# Altium PCB GEM_AFE_128.PcbDoc (part 17 of 18) (continued)
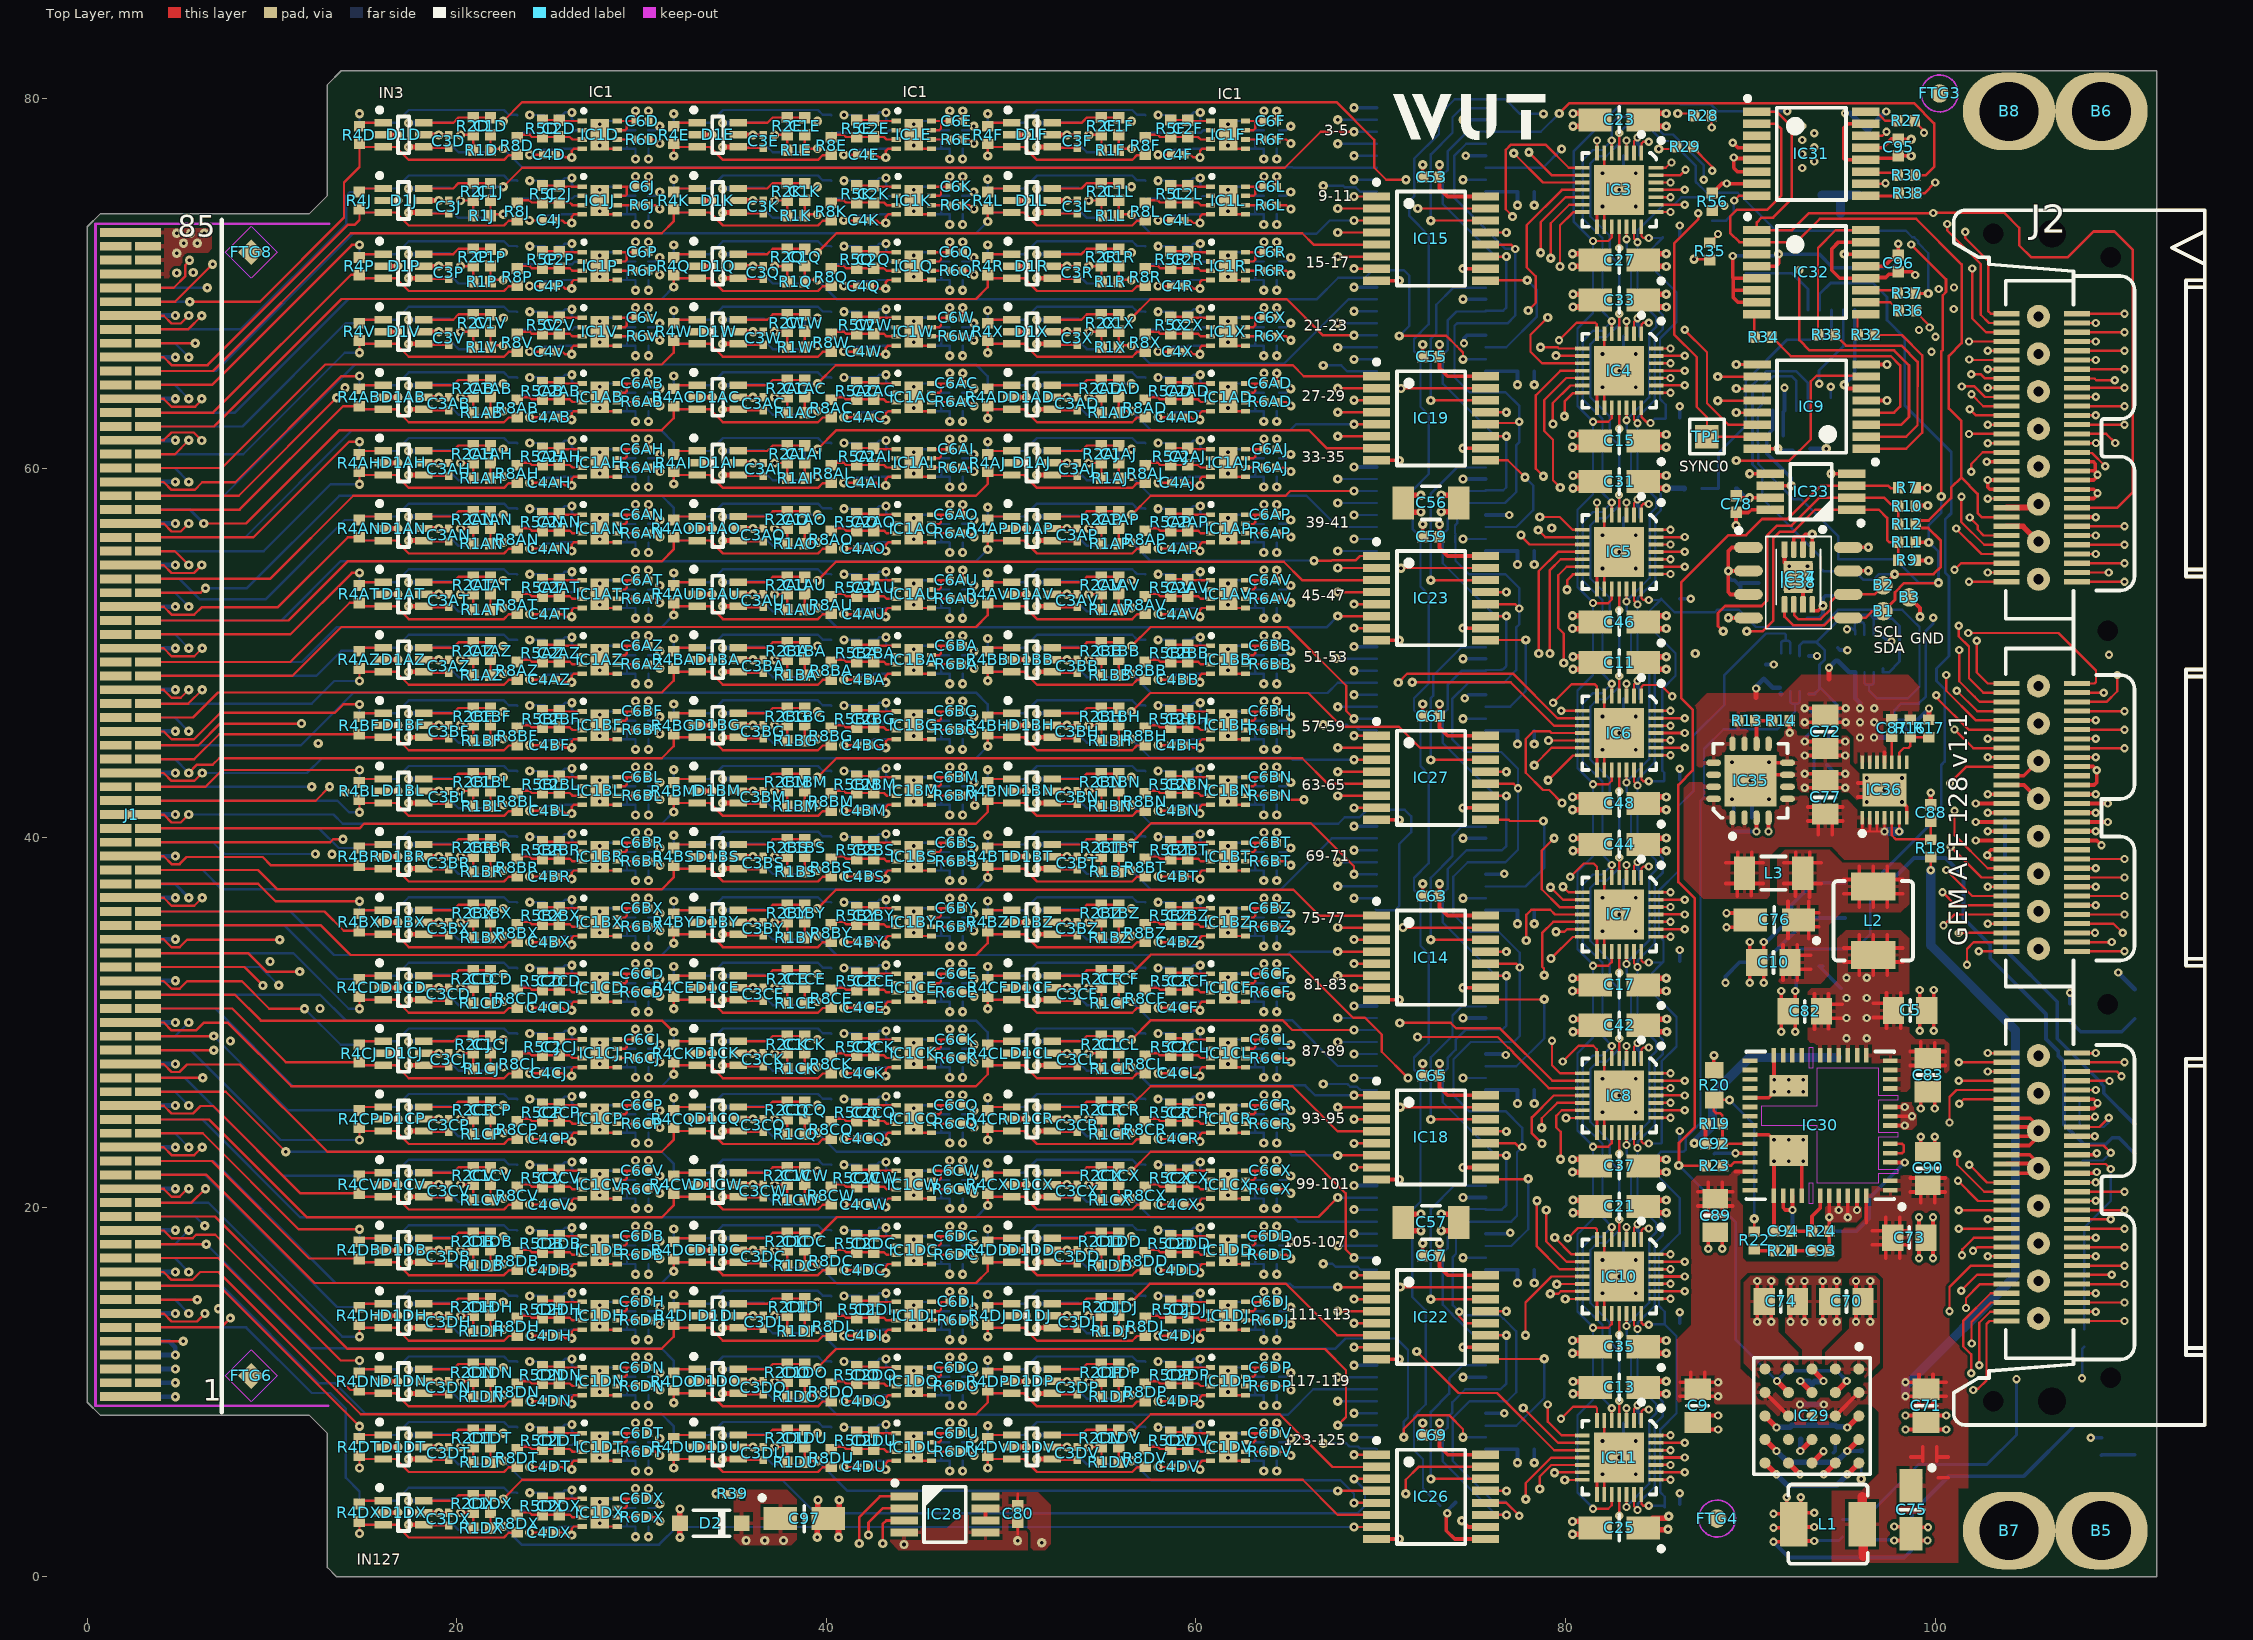
[diagram p0: Top Layer view]
## Nets (pads, with @x,y where several pads share a name; then routed paths per layer and width w, separated by ;. In a path a pad name is that pad's centre, name@x,y a point inside that pad or via, vN(x,y) a via of type N, cw(c..) or ccw(c..) an arc to the next point about the centre after c; other vN are vias at no path point) (continued)
  L2 w0.127: v2(83.302,67.941) 83.569,67.674 84.045,67.674 84.245,67.474 v2(86.443,67.475)
SYNC2: IC5.3 IC9.13 | length 13.4
  Top Layer w0.127: IC5.3@83.3,57.458 v2(83.3,58.134)
  Top Layer w0.14: v1(89.242,63) IC9.13@90.365,63
  L2 w0.127: v2(83.3,58.134) 83.566,57.867 84.043,57.867 84.243,57.667 84.912,57.667 86.9,59.655 86.9,63.114 87.936,64.15 88.6,64.15 89.242,63.508 v1(89.242,63)
SYNC3: IC6.3 IC9.12 | length 20.2
  Top Layer w0.127: IC6.3@83.3,47.658 v2(83.3,48.334)
  Top Layer w0.14: v1(88.24,63.646) 88.244,63.65 IC9.12@90.365,63.65
  L2 w0.127: v2(83.3,48.334) 83.3,48.842 84.3,49.842 84.3,51.783 87.3,54.783 87.3,61 88.24,61.94 v1(88.24,63.646)
SYNC4: IC7.3 IC9.11 | length 33.3
  Top Layer w0.127: IC7.3@83.3,37.841 v2(83.3,38.517)
  Top Layer w0.14: v1(89.242,64.3) IC9.11@90.365,64.3
  L2 w0.127: v2(83.3,38.517) 83.567,38.25 84.043,38.25 84.243,38.05 85.27,38.05 87.494,40.274 87.494,48.044 86.25,49.288 86.25,53.15 87.7,54.6 87.7,60.753 89.69,62.743 89.69,63.851 v1(89.242,64.3)
SYNC5: IC8.3 IC9.10 | length 46.1
  Top Layer w0.127: IC8.3@83.3,28.045 v2(83.3,28.721)
  Top Layer w0.14: v1(88.24,64.946) 88.244,64.95 IC9.10@90.365,64.95
  L2 w0.127: v2(83.3,28.721) 83.567,28.454 84.043,28.454 84.243,28.254 85.27,28.254 87.3,30.284 87.3,39.49 87.894,40.084 87.894,48.35 86.596,49.647 86.596,51.996 87.2,52.6 87.2,53.5 88.059,54.359 88.059,60.609 90.064,62.614 90.064,64.236 89.354,64.946 v1(88.24,64.946)
SYNC6: IC9.9 IC10.3 | length 54.4
  Top Layer w0.127: IC10.3@83.3,18.249 v2(83.3,18.925)
  Top Layer w0.14: v1(89.242,65.6) IC9.9@90.365,65.6
  L2 w0.127: v2(83.3,18.925) 83.567,18.658 84.043,18.658 84.243,18.458 85.27,18.458 87.3,20.488 87.3,23.209 87.384,23.293 87.384,23.637 87.3,23.72 87.3,29.495 87.65,29.845 87.65,39.345 88.244,39.939 88.244,48.655 87.564,49.335 87.564,53.233 88.368,54.037 88.368,60.377 90.414,62.422 90.414,64.428 v1(89.242,65.6)
SYNC7: IC9.7 IC11.3 | length 67.9
  Top Layer w0.127: IC11.3@83.3,8.453 v2(83.3,9.129) ; v1(89.242,60.4) 92.119,60.4 93.273,61.554 93.273,64.691 93.579,64.996 96.219,64.996 IC9.7@96.265,64.95
  L2 w0.127: v2(83.3,9.129) 83.567,8.862 84.043,8.862 84.243,8.662 85.27,8.662 87.3,10.692 87.3,19.75 87.604,20.054 87.604,23.19 87.613,23.198 87.613,23.731 87.604,23.739 87.604,29.304 88,29.7 88,39.2 88.594,39.794 88.594,48.892 87.967,49.519 87.967,52.926 89.229,54.187 89.229,55.925 88.8,56.354 88.8,59.959 v1(89.242,60.4)
TIA_VCC: C6A.2 C6AA.2 C6AB.2 C6AC.2 C6AD.2 C6AE.2 C6AF.2 C6AG.2 C6AH.2 C6AI.2 C6AJ.2 C6AK.2 C6AL.2 C6AM.2 C6AN.2 C6AO.2 C6AP.2 C6AQ.2 C6AR.2 C6AS.2 C6AT.2 C6AU.2 C6AV.2 C6AW.2 C6AX.2 C6AY.2 C6AZ.2 C6B.2 C6BA.2 C6BB.2 C6BC.2 C6BD.2 C6BE.2 C6BF.2 C6BG.2 C6BH.2 C6BI.2 C6BJ.2 C6BK.2 C6BL.2 C6BM.2 C6BN.2 C6BO.2 C6BP.2 C6BQ.2 C6BR.2 C6BS.2 C6BT.2 C6BU.2 C6BV.2 C6BW.2 C6BX.2 C6BY.2 C6BZ.2 C6C.2 C6CA.2 C6CB.2 C6CC.2 C6CD.2 C6CE.2 C6CF.2 C6CG.2 C6CH.2 C6CI.2 C6CJ.2 C6CK.2 C6CL.2 C6CM.2 C6CN.2 C6CO.2 C6CP.2 C6CQ.2 C6CR.2 C6CS.2 C6CT.2 C6CU.2 C6CV.2 C6CW.2 C6CX.2 C6CY.2 C6CZ.2 C6D.2 C6DA.2 C6DB.2 C6DC.2 C6DD.2 C6DE.2 C6DF.2 C6DG.2 C6DH.2 C6DI.2 C6DJ.2 C6DK.2 C6DL.2 C6DM.2 C6DN.2 C6DO.2 C6DP.2 C6DQ.2 C6DR.2 C6DS.2 C6DT.2 C6DU.2 C6DV.2 C6DW.2 C6DX.2 C6E.2 C6F.2 C6G.2 C6H.2 C6I.2 C6J.2 C6K.2 C6L.2 C6M.2 C6N.2 C6O.2 C6P.2 C6Q.2 C6R.2 C6S.2 C6T.2 C6U.2 C6V.2 C6W.2 C6X.2 C6Y.2 C6Z.2 C7.2 C72.2 C87.2 C98.2 C99.2 IC1A.7 IC1A.8 IC1AA.7 IC1AA.8 IC1AB.7 IC1AB.8 IC1AC.7 IC1AC.8 IC1AD.7 IC1AD.8 IC1AE.7 IC1AE.8 IC1AF.7 IC1AF.8 IC1AG.7 IC1AG.8 IC1AH.7 IC1AH.8 IC1AI.7 IC1AI.8 IC1AJ.7 IC1AJ.8 IC1AK.7 IC1AK.8 IC1AL.7 IC1AL.8 IC1AM.7 IC1AM.8 IC1AN.7 IC1AN.8 IC1AO.7 IC1AO.8 IC1AP.7 IC1AP.8 IC1AQ.7 IC1AQ.8 IC1AR.7 IC1AR.8 IC1AS.7 IC1AS.8 IC1AT.7 IC1AT.8 IC1AU.7 IC1AU.8 IC1AV.7 IC1AV.8 IC1AW.7 IC1AW.8 IC1AX.7 IC1AX.8 IC1AY.7 IC1AY.8 IC1AZ.7 IC1AZ.8 IC1B.7 IC1B.8 IC1BA.7 IC1BA.8 IC1BB.7 IC1BB.8 IC1BC.7 IC1BC.8 IC1BD.7 IC1BD.8 IC1BE.7 IC1BE.8 IC1BF.7 IC1BF.8 IC1BG.7 IC1BG.8 IC1BH.7 IC1BH.8 IC1BI.7 IC1BI.8 IC1BJ.7 IC1BJ.8 IC1BK.7 IC1BK.8 IC1BL.7 IC1BL.8 IC1BM.7 IC1BM.8 IC1BN.7 IC1BN.8 IC1BO.7 IC1BO.8 IC1BP.7 IC1BP.8 IC1BQ.7 IC1BQ.8 IC1BR.7 IC1BR.8 IC1BS.7 IC1BS.8 IC1BT.7 IC1BT.8 IC1BU.7 IC1BU.8 IC1BV.7 IC1BV.8 IC1BW.7 IC1BW.8 IC1BX.7 IC1BX.8 IC1BY.7 IC1BY.8 IC1BZ.7 IC1BZ.8 IC1C.7 IC1C.8 IC1CA.7 IC1CA.8 IC1CB.7 IC1CB.8 IC1CC.7 IC1CC.8 IC1CD.7 IC1CD.8 IC1CE.7 IC1CE.8 IC1CF.7 IC1CF.8 IC1CG.7 IC1CG.8 IC1CH.7 IC1CH.8 IC1CI.7 IC1CI.8 IC1CJ.7 IC1CJ.8 IC1CK.7 IC1CK.8 IC1CL.7 IC1CL.8 IC1CM.7 IC1CM.8 IC1CN.7 IC1CN.8 IC1CO.7 IC1CO.8 IC1CP.7 IC1CP.8 IC1CQ.7 IC1CQ.8 IC1CR.7 IC1CR.8 IC1CS.7 IC1CS.8 IC1CT.7 IC1CT.8 IC1CU.7 IC1CU.8 IC1CV.7 IC1CV.8 IC1CW.7 IC1CW.8 IC1CX.7 IC1CX.8 IC1CY.7 IC1CY.8 IC1CZ.7 IC1CZ.8 IC1D.7 IC1D.8 IC1DA.7 IC1DA.8 IC1DB.7 IC1DB.8 IC1DC.7 IC1DC.8 IC1DD.7 IC1DD.8 IC1DE.7 IC1DE.8 IC1DF.7 IC1DF.8 IC1DG.7 IC1DG.8 IC1DH.7 IC1DH.8 IC1DI.7 IC1DI.8 IC1DJ.7 IC1DJ.8 IC1DK.7 IC1DK.8 IC1DL.7 IC1DL.8 IC1DM.7 IC1DM.8 IC1DN.7 IC1DN.8 IC1DO.7 IC1DO.8 IC1DP.7 IC1DP.8 IC1DQ.7 IC1DQ.8 IC1DR.7 IC1DR.8 IC1DS.7 IC1DS.8 IC1DT.7 IC1DT.8 IC1DU.7 IC1DU.8 IC1DV.7 IC1DV.8 IC1DW.7 IC1DW.8 IC1DX.7 IC1DX.8 IC1E.7 IC1E.8 IC1F.7 IC1F.8 IC1G.7 IC1G.8 IC1H.7 IC1H.8 IC1I.7 IC1I.8 IC1J.7 IC1J.8 IC1K.7 IC1K.8 IC1L.7 IC1L.8 IC1M.7 IC1M.8 IC1N.7 IC1N.8 IC1O.7 IC1O.8 IC1P.7 IC1P.8 IC1Q.7 IC1Q.8 IC1R.7 IC1R.8 IC1S.7 IC1S.8 IC1T.7 IC1T.8 IC1U.7 IC1U.8 IC1V.7 IC1V.8 IC1W.7 IC1W.8 IC1X.7 IC1X.8 IC1Y.7 IC1Y.8 IC1Z.7 IC1Z.8 IC35.11 IC35.12 IC35.13 IC36.11 IC36.12 IC36.13 IC36.14 LD3.2 R13.2 R16.2 R39.1 R40.2 R49.2 U1.8 U2.8 | length 356.2
  Top Layer w0.127: IC1DX.7@28.675,3.725 29.111,3.725 29.205,3.819 29.205,4.224 ; IC1DX.8@28.675,4.225 C6DX.2@29.653,4.225 ; IC1DT.7@28.675,7.275 IC1DT.7@28.686,7.275 29.111,7.275 29.205,7.369 29.205,7.774 ; IC1DT.8@28.675,7.775 IC1DT.8@28.686,7.775 C6DT.2@29.653,7.775 ; IC1DN.7@28.675,10.825 29.111,10.825 29.205,10.919 29.205,11.324 ; IC1DN.8@28.675,11.325 C6DN.2@29.653,11.325 ; IC1DH.7@28.675,14.375 29.111,14.375 29.205,14.469 29.205,14.874 ; IC1DH.8@28.675,14.875 C6DH.2@29.653,14.875 ; IC1DB.7@28.675,17.925 29.111,17.925 29.205,18.019 29.205,18.424 ; IC1DB.8@28.675,18.425 C6DB.2@29.653,18.425 ; IC1CV.7@28.675,21.475 29.111,21.475 29.205,21.569 29.205,21.974 ; IC1CV.8@28.675,21.975 C6CV.2@29.653,21.975 ; IC1CP.7@28.675,25.025 29.111,25.025 29.205,25.119 29.205,25.524 ; IC1CP.8@28.675,25.525 C6CP.2@29.653,25.525 ; IC1CJ.7@28.675,28.575 29.111,28.575 29.205,28.669 29.205,29.074 ; IC1CJ.8@28.675,29.075 C6CJ.2@29.653,29.075 ; IC1CD.7@28.675,32.125 29.111,32.125 29.205,32.219 29.205,32.624 ; IC1CD.8@28.675,32.625 C6CD.2@29.653,32.625 ; IC1BX.7@28.675,35.675 29.111,35.675 29.205,35.769 29.205,36.174 ; IC1BX.8@28.675,36.175 C6BX.2@29.653,36.175 ; IC1BR.7@28.675,39.225 29.111,39.225 29.205,39.319 29.205,39.724 ; IC1BR.8@28.675,39.725 C6BR.2@29.653,39.725 ; IC1BL.7@28.675,42.775 29.111,42.775 29.205,42.869 29.205,43.274 ; IC1BL.8@28.675,43.275 C6BL.2@29.653,43.275 ; IC1BF.7@28.675,46.325 29.111,46.325 29.205,46.419 29.205,46.824 ; IC1BF.8@28.675,46.825 C6BF.2@29.653,46.825 ; IC1AZ.7@28.675,49.875 29.111,49.875 29.205,49.969 29.205,50.374 ; IC1AZ.8@28.675,50.375 C6AZ.2@29.653,50.375 ; IC1AT.7@28.675,53.425 29.111,53.425 29.205,53.519 29.205,53.924 ; IC1AT.8@28.675,53.925 C6AT.2@29.653,53.925 ; IC1AN.7@28.675,56.975 29.111,56.975 29.205,57.069 29.205,57.474 ; IC1AN.8@28.675,57.475 C6AN.2@29.653,57.475 ; IC1AH.7@28.675,60.525 29.111,60.525 29.205,60.619 29.205,61.024 ; IC1AH.8@28.675,61.025 C6AH.2@29.653,61.025 ; IC1AB.7@28.675,64.075 29.111,64.075 29.205,64.169 29.205,64.574 ; IC1AB.8@28.675,64.575 C6AB.2@29.653,64.575 ; IC1V.7@28.675,67.625 29.111,67.625 29.205,67.719 29.205,68.124 ; IC1V.8@28.675,68.125 C6V.2@29.653,68.125 ; IC1P.7@28.675,71.175 29.111,71.175 29.205,71.269 29.205,71.674 ; IC1P.8@28.675,71.675 C6P.2@29.653,71.675 ; IC1J.7@28.675,74.725 29.111,74.725 29.205,74.819 29.205,75.224 ; IC1J.8@28.675,75.225 C6J.2@29.653,75.225 ; IC1D.7@28.675,78.275 29.111,78.275 29.205,78.369 29.205,78.774 ; IC1D.8@28.675,78.775 C6D.2@29.653,78.775 ; C6DX.2@29.676,4.226 v1@29.676,4.775 ; C6DT.2@29.676,7.776 v1(29.677,8.326) ; C6DN.2@29.676,11.326 v1@29.676,11.875 ; C6DH.2@29.676,14.876 v1@29.676,15.425 ; C6DB.2@29.676,18.426 v1(29.677,18.976) ; C6CV.2@29.676,21.976 v1@29.676,22.525 ; C6CP.2@29.676,25.526 v1(29.677,26.076) ; C6CJ.2@29.676,29.076 v1(29.677,29.626) ; C6CD.2@29.676,32.626 v1@29.676,33.175 ; C6BX.2@29.676,36.176 v1(29.677,36.726) ; C6BR.2@29.676,39.726 v1(29.677,40.276) ; C6BL.2@29.676,43.276 v1@29.676,43.825 ; C6BF.2@29.676,46.826 v1(29.677,47.376) ; C6AZ.2@29.676,50.376 v1@29.676,50.925 ; C6AT.2@29.676,53.926 v1@29.676,54.475 ; C6AN.2@29.676,57.476 v1(29.677,58.026) ; C6AH.2@29.676,61.026 v1@29.676,61.575 ; C6AB.2@29.676,64.576 v1(29.677,65.126) ; C6V.2@29.676,68.126 v1(29.677,68.676) ; C6P.2@29.676,71.676 v1@29.676,72.225 ; C6J.2@29.676,75.226 v1(29.677,75.776) ; C6D.2@29.676,78.776 v1(29.677,79.326) ; IC1DU.7@45.675,7.275 IC1DU.7@45.686,7.275 46.111,7.275 46.205,7.369 46.205,7.774 ; IC1DU.8@45.675,7.775 IC1DU.8@45.686,7.775 C6DU.2@46.653,7.775 ; IC1DO.7@45.675,10.825 46.111,10.825 46.205,10.919 46.205,11.324 ; IC1DO.8@45.675,11.325 C6DO.2@46.653,11.325 ; IC1DI.7@45.675,14.375 46.111,14.375 46.205,14.469 46.205,14.874 ; IC1DI.8@45.675,14.875 C6DI.2@46.653,14.875 ; IC1DC.7@45.675,17.925 46.111,17.925 46.205,18.019 46.205,18.424 ; IC1DC.8@45.675,18.425 C6DC.2@46.653,18.425 ; IC1CW.7@45.675,21.475 46.111,21.475 46.205,21.569 46.205,21.974 ; IC1CW.8@45.675,21.975 C6CW.2@46.653,21.975 ; IC1CQ.7@45.675,25.025 46.111,25.025 46.205,25.119 46.205,25.524 ; IC1CQ.8@45.675,25.525 C6CQ.2@46.653,25.525 ; IC1CK.7@45.675,28.575 46.111,28.575 46.205,28.669 46.205,29.074 ; IC1CK.8@45.675,29.075 C6CK.2@46.653,29.075 ; IC1CE.7@45.675,32.125 46.111,32.125 46.205,32.219 46.205,32.624 ; IC1CE.8@45.675,32.625 C6CE.2@46.653,32.625 ; IC1BY.7@45.675,35.675 46.111,35.675 46.205,35.769 46.205,36.174 ; IC1BY.8@45.675,36.175 C6BY.2@46.653,36.175 ; IC1BS.7@45.675,39.225 46.111,39.225 46.205,39.319 46.205,39.724 ; IC1BS.8@45.675,39.725 C6BS.2@46.653,39.725 ; IC1BM.7@45.675,42.775 46.111,42.775 46.205,42.869 46.205,43.274 ; IC1BM.8@45.675,43.275 C6BM.2@46.653,43.275 ; IC1BG.7@45.675,46.325 46.111,46.325 46.205,46.419 46.205,46.824 ; IC1BG.8@45.675,46.825 C6BG.2@46.653,46.825 ; IC1BA.7@45.675,49.875 46.111,49.875 46.205,49.969 46.205,50.374 ; IC1BA.8@45.675,50.375 C6BA.2@46.653,50.375 ; IC1AU.7@45.675,53.425 46.111,53.425 46.205,53.519 46.205,53.924 ; IC1AU.8@45.675,53.925 C6AU.2@46.653,53.925 ; IC1AO.7@45.675,56.975 46.111,56.975 46.205,57.069 46.205,57.474 ; IC1AO.8@45.675,57.475 C6AO.2@46.653,57.475 ; IC1AI.7@45.675,60.525 46.111,60.525 46.205,60.619 46.205,61.024 ; IC1AI.8@45.675,61.025 C6AI.2@46.653,61.025 ; IC1AC.7@45.675,64.075 46.111,64.075 46.205,64.169 46.205,64.574 ; IC1AC.8@45.675,64.575 C6AC.2@46.653,64.575 ; IC1W.7@45.675,67.625 46.111,67.625 46.205,67.719 46.205,68.124 ; IC1W.8@45.675,68.125 C6W.2@46.653,68.125 ; IC1Q.7@45.675,71.175 46.111,71.175 46.205,71.269 46.205,71.674 ; IC1Q.8@45.675,71.675 C6Q.2@46.653,71.675 ; IC1K.7@45.675,74.725 46.111,74.725 46.205,74.819 46.205,75.224 ; IC1K.8@45.675,75.225 C6K.2@46.653,75.225 ; IC1E.7@45.675,78.275 46.111,78.275 46.205,78.369 46.205,78.774 ; IC1E.8@45.675,78.775 C6E.2@46.653,78.775 ; C6DU.2@46.676,7.776 v1(46.677,8.326) ; C6DO.2@46.676,11.326 v1@46.676,11.875 ; C6DI.2@46.676,14.876 v1@46.676,15.425 ; C6DC.2@46.676,18.426 v1(46.677,18.976) ; C6CW.2@46.676,21.976 v1@46.676,22.525 ; C6CQ.2@46.676,25.526 v1(46.677,26.076) ; C6CK.2@46.676,29.076 v1(46.677,29.626) ; C6CE.2@46.676,32.626 v1@46.676,33.175 ; C6BY.2@46.676,36.176 v1(46.677,36.726) ; C6BS.2@46.676,39.726 v1(46.677,40.276) ; C6BM.2@46.676,43.276 v1@46.676,43.825 ; C6BG.2@46.676,46.826 v1(46.677,47.376) ; C6BA.2@46.676,50.376 v1@46.676,50.925 ; C6AU.2@46.676,53.926 v1@46.676,54.475 ; C6AO.2@46.676,57.476 v1(46.677,58.026) ; C6AI.2@46.676,61.026 v1@46.676,61.575 ; C6AC.2@46.676,64.576 v1(46.677,65.126) ; C6W.2@46.676,68.126 v1(46.677,68.676) ; C6Q.2@46.676,71.676 v1@46.676,72.225 ; C6K.2@46.676,75.226 v1(46.677,75.776) ; C6E.2@46.676,78.776 v1(46.677,79.326) ; IC1DV.7@62.675,7.275 IC1DV.7@62.686,7.275 63.111,7.275 63.205,7.369 63.205,7.774 ; IC1DV.8@62.675,7.775 IC1DV.8@62.686,7.775 C6DV.2@63.653,7.775 ; IC1DP.7@62.675,10.825 63.111,10.825 63.205,10.919 63.205,11.324 ; IC1DP.8@62.675,11.325 C6DP.2@63.653,11.325 ; IC1DJ.7@62.675,14.375 63.111,14.375 63.205,14.469 63.205,14.874 ; IC1DJ.8@62.675,14.875 C6DJ.2@63.653,14.875 ; IC1DD.7@62.675,17.925 63.111,17.925 63.205,18.019 63.205,18.424 ; IC1DD.8@62.675,18.425 C6DD.2@63.653,18.425 ; IC1CX.7@62.675,21.475 63.111,21.475 63.205,21.569 63.205,21.974 ; IC1CX.8@62.675,21.975 C6CX.2@63.653,21.975 ; IC1CR.7@62.675,25.025 63.111,25.025 63.205,25.119 63.205,25.524 ; IC1CR.8@62.675,25.525 C6CR.2@63.653,25.525 ; IC1CL.7@62.675,28.575 63.111,28.575 63.205,28.669 63.205,29.074 ; IC1CL.8@62.675,29.075 C6CL.2@63.653,29.075 ; IC1CF.7@62.675,32.125 63.111,32.125 63.205,32.219 63.205,32.624 ; IC1CF.8@62.675,32.625 C6CF.2@63.653,32.625 ; IC1BZ.7@62.675,35.675 63.111,35.675 63.205,35.769 63.205,36.174 ; IC1BZ.8@62.675,36.175 C6BZ.2@63.653,36.175 ; IC1BT.7@62.675,39.225 63.111,39.225 63.205,39.319 63.205,39.724 ; IC1BT.8@62.675,39.725 C6BT.2@63.653,39.725 ; IC1BN.7@62.675,42.775 63.111,42.775 63.205,42.869 63.205,43.274 ; IC1BN.8@62.675,43.275 C6BN.2@63.653,43.275 ; IC1BH.7@62.675,46.325 63.111,46.325 63.205,46.419 63.205,46.824 ; IC1BH.8@62.675,46.825 C6BH.2@63.653,46.825 ; IC1BB.7@62.675,49.875 63.111,49.875 63.205,49.969 63.205,50.374 ; IC1BB.8@62.675,50.375 C6BB.2@63.653,50.375 ; IC1AV.7@62.675,53.425 63.111,53.425 63.205,53.519 63.205,53.924 ; IC1AV.8@62.675,53.925 C6AV.2@63.653,53.925 ; IC1AP.7@62.675,56.975 63.111,56.975 63.205,57.069 63.205,57.474 ; IC1AP.8@62.675,57.475 C6AP.2@63.653,57.475 ; IC1AJ.7@62.675,60.525 63.111,60.525 63.205,60.619 63.205,61.024 ; IC1AJ.8@62.675,61.025 C6AJ.2@63.653,61.025 ; IC1AD.7@62.675,64.075 63.111,64.075 63.205,64.169 63.205,64.574 ; IC1AD.8@62.675,64.575 C6AD.2@63.653,64.575 ; IC1X.7@62.675,67.625 63.111,67.625 63.205,67.719 63.205,68.124 ; IC1X.8@62.675,68.125 C6X.2@63.653,68.125 ; IC1R.7@62.675,71.175 63.111,71.175 63.205,71.269 63.205,71.674 ; IC1R.8@62.675,71.675 C6R.2@63.653,71.675 ; IC1L.7@62.675,74.725 63.111,74.725 63.205,74.819 63.205,75.224 ; IC1L.8@62.675,75.225 C6L.2@63.653,75.225 ; IC1F.7@62.675,78.275 63.111,78.275 63.205,78.369 63.205,78.774 ; IC1F.8@62.675,78.775 C6F.2@63.653,78.775 ; C6DV.2@63.676,7.776 v1@63.676,8.325 ; C6DP.2@63.675,11.325 v1@63.676,11.875 ; C6DJ.2@63.675,14.875 v1@63.676,15.425 ; C6DD.2@63.676,18.426 v1@63.676,18.975 ; C6CX.2@63.675,21.975 v1@63.676,22.525 ; C6CR.2@63.675,25.525 v1@63.676,26.075 ; C6CL.2@63.676,29.076 v1@63.676,29.625 ; C6CF.2@63.675,32.625 v1@63.676,33.175 ; C6BZ.2@63.676,36.176 v1@63.676,36.725 ; C6BT.2@63.676,39.726 v1@63.676,40.275 ; C6BN.2@63.675,43.275 v1@63.676,43.825 ; C6BH.2@63.676,46.826 v1@63.676,47.375 ; C6BB.2@63.675,50.375 v1@63.676,50.925 ; C6AV.2@63.675,53.925 v1@63.676,54.475 ; C6AP.2@63.676,57.476 v1@63.676,58.025 ; C6AJ.2@63.675,61.025 v1@63.676,61.575 ; C6AD.2@63.675,64.575 v1@63.676,65.125 ; C6X.2@63.676,68.126 v1@63.676,68.675 ; C6R.2@63.675,71.675 v1@63.676,72.225 ; C6L.2@63.676,75.226 v1@63.676,75.775 ; C6F.2@63.676,78.776 v1@63.676,79.325
  Top Layer w0.2: v1@34.022,4.489 R39.1@34.571,4.489 ; v2(92.946,46.245) C72.2@93.721,46.245 ; v2(92.946,47.005) C72.2@93.721,47.005 ; C72.2@94.379,46.245 v2(95.154,46.245) ; C72.2@94.379,47.005 v2(95.154,47.005) ; IC36.11@97.255,44.078 97.255,44.605
  Top Layer w0.254: 90.31,47.577 v2(90.31,48.073) ; 94.25,48.576 v2(94.25,49.2)
  L2 w0.254: v2(96.688,45.42) 99.055,43.053 99.055,42.13 103.776,37.41 103.776,33.852 104.928,32.7 v2(109.9,32.7)
  Bottom Layer w0.127: IC1DW.8@28.686,2.725 C6DW.2@29.664,2.725 ; IC1DW.7@28.686,3.225 29.121,3.225 29.215,3.131 29.215,2.726 ; IC1DQ.8@28.686,6.275 C6DQ.2@29.664,6.275 ; IC1DQ.7@28.686,6.775 29.121,6.775 29.215,6.681 29.215,6.276 ; IC1DK.8@28.686,9.825 C6DK.2@29.664,9.825 ; IC1DK.7@28.686,10.325 29.121,10.325 29.215,10.231 29.215,9.826 ; IC1DE.8@28.686,13.375 C6DE.2@29.664,13.375 ; IC1DE.7@28.686,13.875 29.121,13.875 29.215,13.781 29.215,13.376 ; IC1CY.8@28.686,16.925 C6CY.2@29.664,16.925 ; IC1CY.7@28.686,17.425 29.121,17.425 29.215,17.331 29.215,16.926 ; IC1CS.8@28.686,20.475 C6CS.2@29.664,20.475 ; IC1CS.7@28.686,20.975 29.121,20.975 29.215,20.881 29.215,20.476 ; IC1CM.8@28.686,24.025 C6CM.2@29.664,24.025 ; IC1CM.7@28.686,24.525 29.121,24.525 29.215,24.431 29.215,24.026 ; IC1CG.8@28.686,27.575 C6CG.2@29.664,27.575 ; IC1CG.7@28.686,28.075 29.121,28.075 29.215,27.981 29.215,27.576 ; IC1CA.8@28.686,31.125 C6CA.2@29.664,31.125 ; IC1CA.7@28.686,31.625 29.121,31.625 29.215,31.531 29.215,31.126 ; IC1BU.8@28.686,34.675 C6BU.2@29.664,34.675 ; IC1BU.7@28.686,35.175 29.121,35.175 29.215,35.081 29.215,34.676 ; IC1BO.8@28.686,38.225 C6BO.2@29.664,38.225 ; IC1BO.7@28.686,38.725 29.121,38.725 29.215,38.631 29.215,38.226 ; IC1BI.8@28.686,41.775 C6BI.2@29.664,41.775 ; IC1BI.7@28.686,42.275 29.121,42.275 29.215,42.181 29.215,41.776 ; IC1BC.8@28.686,45.325 C6BC.2@29.664,45.325 ; IC1BC.7@28.686,45.825 29.121,45.825 29.215,45.731 29.215,45.326 ; IC1AW.8@28.686,48.875 C6AW.2@29.664,48.875 ; IC1AW.7@28.686,49.375 29.121,49.375 29.215,49.281 29.215,48.876 ; IC1AQ.8@28.686,52.425 C6AQ.2@29.664,52.425 ; IC1AQ.7@28.686,52.925 29.121,52.925 29.215,52.831 29.215,52.426 ; IC1AK.8@28.686,55.975 C6AK.2@29.664,55.975 ; IC1AK.7@28.686,56.475 29.121,56.475 29.215,56.381 29.215,55.976 ; IC1AE.8@28.686,59.525 C6AE.2@29.664,59.525 ; IC1AE.7@28.686,60.025 29.121,60.025 29.215,59.931 29.215,59.526 ; IC1Y.8@28.686,63.075 C6Y.2@29.664,63.075 ; IC1Y.7@28.686,63.575 29.121,63.575 29.215,63.481 29.215,63.076 ; IC1S.8@28.686,66.625 C6S.2@29.664,66.625 ; IC1S.7@28.686,67.125 29.121,67.125 29.215,67.031 29.215,66.626 ; IC1M.8@28.686,70.175 C6M.2@29.664,70.175 ; IC1M.7@28.686,70.675 29.121,70.675 29.215,70.581 29.215,70.176 ; IC1G.8@28.686,73.725 C6G.2@29.664,73.725 ; IC1G.7@28.686,74.225 29.121,74.225 29.215,74.131 29.215,73.726 ; IC1A.8@28.686,77.275 C6A.2@29.664,77.275 ; IC1A.7@28.686,77.775 29.121,77.775 29.215,77.681 29.215,77.276 ; v1@29.674,2.175 C6DW.2@29.675,2.725 ; v1@29.674,5.725 C6DQ.2@29.674,6.274 ; v1@29.674,9.275 C6DK.2@29.675,9.825 ; v1@29.674,12.825 C6DE.2@29.675,13.375 ; v1@29.674,16.375 C6CY.2@29.674,16.924 ; v1@29.674,19.925 C6CS.2@29.675,20.475 ; v1@29.674,23.475 C6CM.2@29.675,24.025 ; v1@29.674,27.025 C6CG.2@29.674,27.574 ; v1@29.674,30.575 C6CA.2@29.675,31.125 ; v1@29.674,34.125 C6BU.2@29.674,34.674 ; v1@29.674,37.675 C6BO.2@29.674,38.224 ; v1@29.674,41.225 C6BI.2@29.675,41.775 ; v1@29.674,44.775 C6BC.2@29.674,45.324 ; v1@29.674,48.325 C6AW.2@29.675,48.875 ; v1@29.674,51.875 C6AQ.2@29.675,52.425 ; v1@29.674,55.425 C6AK.2@29.674,55.974 ; v1@29.674,58.975 C6AE.2@29.675,59.525 ; v1@29.674,62.525 C6Y.2@29.675,63.075 ; v1@29.674,66.075 C6S.2@29.674,66.624 ; v1@29.674,69.625 C6M.2@29.675,70.175 ; v1@29.674,73.175 C6G.2@29.675,73.725 ; v1@29.674,76.725 C6A.2@29.674,77.274 ; IC1DR.8@45.686,6.275 C6DR.2@46.664,6.275 ; IC1DR.7@45.686,6.775 46.121,6.775 46.215,6.681 46.215,6.276 ; IC1DL.8@45.686,9.825 C6DL.2@46.664,9.825 ; IC1DL.7@45.686,10.325 46.121,10.325 46.215,10.231 46.215,9.826 ; IC1DF.8@45.686,13.375 C6DF.2@46.664,13.375 ; IC1DF.7@45.686,13.875 46.121,13.875 46.215,13.781 46.215,13.376 ; IC1CZ.8@45.686,16.925 C6CZ.2@46.664,16.925 ; IC1CZ.7@45.686,17.425 46.121,17.425 46.215,17.331 46.215,16.926 ; IC1CT.8@45.686,20.475 C6CT.2@46.664,20.475 ; IC1CT.7@45.686,20.975 46.121,20.975 46.215,20.881 46.215,20.476 ; IC1CN.8@45.686,24.025 C6CN.2@46.664,24.025 ; IC1CN.7@45.686,24.525 46.121,24.525 46.215,24.431 46.215,24.026 ; IC1CH.8@45.686,27.575 C6CH.2@46.664,27.575 ; IC1CH.7@45.686,28.075 46.121,28.075 46.215,27.981 46.215,27.576 ; IC1CB.8@45.686,31.125 C6CB.2@46.664,31.125 ; IC1CB.7@45.686,31.625 46.121,31.625 46.215,31.531 46.215,31.126 ; IC1BV.8@45.686,34.675 C6BV.2@46.664,34.675 ; IC1BV.7@45.686,35.175 46.121,35.175 46.215,35.081 46.215,34.676 ; IC1BP.8@45.686,38.225 C6BP.2@46.664,38.225 ; IC1BP.7@45.686,38.725 46.121,38.725 46.215,38.631 46.215,38.226 ; IC1BJ.8@45.686,41.775 C6BJ.2@46.664,41.775 ; IC1BJ.7@45.686,42.275 46.121,42.275 46.215,42.181 46.215,41.776 ; IC1BD.8@45.686,45.325 C6BD.2@46.664,45.325 ; IC1BD.7@45.686,45.825 46.121,45.825 46.215,45.731 46.215,45.326 ; IC1AX.8@45.686,48.875 C6AX.2@46.664,48.875 ; IC1AX.7@45.686,49.375 46.121,49.375 46.215,49.281 46.215,48.876 ; IC1AR.8@45.686,52.425 C6AR.2@46.664,52.425 ; IC1AR.7@45.686,52.925 46.121,52.925 46.215,52.831 46.215,52.426 ; IC1AL.8@45.686,55.975 C6AL.2@46.664,55.975 ; IC1AL.7@45.686,56.475 46.121,56.475 46.215,56.381 46.215,55.976 ; IC1AF.8@45.686,59.525 C6AF.2@46.664,59.525 ; IC1AF.7@45.686,60.025 46.121,60.025 46.215,59.931 46.215,59.526 ; IC1Z.8@45.686,63.075 C6Z.2@46.664,63.075 ; IC1Z.7@45.686,63.575 46.121,63.575 46.215,63.481 46.215,63.076 ; IC1T.8@45.686,66.625 C6T.2@46.664,66.625 ; IC1T.7@45.686,67.125 46.121,67.125 46.215,67.031 46.215,66.626 ; IC1N.8@45.686,70.175 C6N.2@46.664,70.175 ; IC1N.7@45.686,70.675 46.121,70.675 46.215,70.581 46.215,70.176 ; IC1H.8@45.686,73.725 C6H.2@46.664,73.725 ; IC1H.7@45.686,74.225 46.121,74.225 46.215,74.131 46.215,73.726 ; IC1B.8@45.686,77.275 C6B.2@46.664,77.275 ; IC1B.7@45.686,77.775 46.121,77.775 46.215,77.681 46.215,77.276 ; v1@46.674,5.725 C6DR.2@46.674,6.274 ; v1@46.674,9.275 C6DL.2@46.675,9.825 ; v1@46.674,12.825 C6DF.2@46.675,13.375 ; v1@46.674,16.375 C6CZ.2@46.674,16.924 ; v1@46.674,19.925 C6CT.2@46.675,20.475 ; v1@46.674,23.475 C6CN.2@46.675,24.025 ; v1@46.674,27.025 C6CH.2@46.674,27.574 ; v1@46.674,30.575 C6CB.2@46.675,31.125 ; v1@46.674,34.125 C6BV.2@46.674,34.674 ; v1@46.674,37.675 C6BP.2@46.674,38.224 ; v1@46.674,41.225 C6BJ.2@46.675,41.775 ; v1@46.674,44.775 C6BD.2@46.674,45.324 ; v1@46.674,48.325 C6AX.2@46.675,48.875 ; v1@46.674,51.875 C6AR.2@46.675,52.425 ; v1@46.674,55.425 C6AL.2@46.674,55.974 ; v1@46.674,58.975 C6AF.2@46.675,59.525 ; v1@46.674,62.525 C6Z.2@46.675,63.075 ; v1@46.674,66.075 C6T.2@46.674,66.624 ; v1@46.674,69.625 C6N.2@46.675,70.175 ; v1@46.674,73.175 C6H.2@46.675,73.725 ; v1@46.674,76.725 C6B.2@46.674,77.274 ; IC1DS.8@62.686,6.275 C6DS.2@63.664,6.275 ; IC1DS.7@62.686,6.775 63.121,6.775 63.215,6.681 63.215,6.276 ; IC1DM.8@62.686,9.825 C6DM.2@63.664,9.825 ; IC1DM.7@62.686,10.325 63.121,10.325 63.215,10.231 63.215,9.826 ; IC1DG.8@62.686,13.375 C6DG.2@63.664,13.375 ; IC1DG.7@62.686,13.875 63.121,13.875 63.215,13.781 63.215,13.376 ; IC1DA.8@62.686,16.925 C6DA.2@63.664,16.925 ; IC1DA.7@62.686,17.425 63.121,17.425 63.215,17.331 63.215,16.926 ; IC1CU.8@62.686,20.475 C6CU.2@63.664,20.475 ; IC1CU.7@62.686,20.975 63.121,20.975 63.215,20.881 63.215,20.476 ; IC1CO.8@62.686,24.025 C6CO.2@63.664,24.025 ; IC1CO.7@62.686,24.525 63.121,24.525 63.215,24.431 63.215,24.026 ; IC1CI.8@62.686,27.575 C6CI.2@63.664,27.575 ; IC1CI.7@62.686,28.075 63.121,28.075 63.215,27.981 63.215,27.576 ; IC1CC.8@62.686,31.125 C6CC.2@63.664,31.125 ; IC1CC.7@62.686,31.625 63.121,31.625 63.215,31.531 63.215,31.126 ; IC1BW.8@62.686,34.675 C6BW.2@63.664,34.675 ; IC1BW.7@62.686,35.175 63.121,35.175 63.215,35.081 63.215,34.676 ; IC1BQ.8@62.686,38.225 C6BQ.2@63.664,38.225 ; IC1BQ.7@62.686,38.725 63.121,38.725 63.215,38.631 63.215,38.226 ; IC1BK.8@62.686,41.775 C6BK.2@63.664,41.775 ; IC1BK.7@62.686,42.275 63.121,42.275 63.215,42.181 63.215,41.776 ; IC1BE.8@62.686,45.325 C6BE.2@63.664,45.325 ; IC1BE.7@62.686,45.825 63.121,45.825 63.215,45.731 63.215,45.326 ; IC1AY.8@62.686,48.875 C6AY.2@63.664,48.875 ; IC1AY.7@62.686,49.375 63.121,49.375 63.215,49.281 63.215,48.876 ; IC1AS.8@62.686,52.425 C6AS.2@63.664,52.425 ; IC1AS.7@62.686,52.925 63.121,52.925 63.215,52.831 63.215,52.426 ; IC1AM.8@62.686,55.975 C6AM.2@63.664,55.975 ; IC1AM.7@62.686,56.475 63.121,56.475 63.215,56.381 63.215,55.976 ; IC1AG.8@62.686,59.525 C6AG.2@63.664,59.525 ; IC1AG.7@62.686,60.025 63.121,60.025 63.215,59.931 63.215,59.526 ; IC1AA.8@62.686,63.075 C6AA.2@63.664,63.075 ; IC1AA.7@62.686,63.575 63.121,63.575 63.215,63.481 63.215,63.076 ; IC1U.8@62.686,66.625 C6U.2@63.664,66.625 ; IC1U.7@62.686,67.125 63.121,67.125 63.215,67.031 63.215,66.626 ; IC1O.8@62.686,70.175 C6O.2@63.664,70.175 ; IC1O.7@62.686,70.675 63.121,70.675 63.215,70.581 63.215,70.176 ; IC1I.8@62.686,73.725 C6I.2@63.664,73.725 ; IC1I.7@62.686,74.225 63.121,74.225 63.215,74.131 63.215,73.726 ; IC1C.8@62.686,77.275 C6C.2@63.664,77.275 ; IC1C.7@62.686,77.775 63.121,77.775 63.215,77.681 63.215,77.276 ; v1@63.674,5.725 C6DS.2@63.674,6.274 ; v1@63.674,9.275 C6DM.2@63.675,9.825 ; v1@63.674,12.825 C6DG.2@63.675,13.375 ; v1@63.674,16.375 C6DA.2@63.674,16.924 ; v1@63.674,19.925 C6CU.2@63.675,20.475 ; v1@63.674,23.475 C6CO.2@63.675,24.025 ; v1@63.674,27.025 C6CI.2@63.674,27.574 ; v1@63.674,30.575 C6CC.2@63.675,31.125 ; v1@63.674,34.125 C6BW.2@63.674,34.674 ; v1@63.674,37.675 C6BQ.2@63.674,38.224 ; v1@63.674,41.225 C6BK.2@63.675,41.775 ; v1@63.674,44.775 C6BE.2@63.674,45.324 ; v1@63.674,48.325 C6AY.2@63.675,48.875 ; v1@63.674,51.875 C6AS.2@63.675,52.425 ; v1@63.674,55.425 C6AM.2@63.674,55.974 ; v1@63.674,58.975 C6AG.2@63.675,59.525 ; v1@63.674,62.525 C6AA.2@63.675,63.075 ; v1@63.674,66.075 C6U.2@63.674,66.624 ; v1@63.674,69.625 C6O.2@63.675,70.175 ; v1@63.674,73.175 C6I.2@63.675,73.725 ; v1@63.674,76.725 C6C.2@63.674,77.274
  Bottom Layer w0.254: v2(90.31,48.073) 90.31,48.187 C98.2@90.721,48.598 91.203,48.116 U2.8@91.585,48.116 ; U2.8@91.641,47.796 U2.8@91.664,47.773 ; v2(92.946,47.005) 93.175,47.005 C99.2@93.492,46.687 ; C99.2@93.492,46.672 94.328,46.672 R40.2@94.412,46.756 ; v2(94.25,49.2) 94.62,49.57 C7.2@94.725,49.57 95.35,48.945 U1.8@95.675,48.945 95.675,47.544 95.929,47.29 v2(95.929,47.005) ; v2(96.688,45.42) 97.772,45.42 R49.2@97.79,45.437 ; v2(109.9,32.7) LD3.2@110.8,31.8
  other v1: 29.673,2.174 34.021,4.49 29.677,4.776 29.673,5.724 46.673,5.724 63.673,5.724 63.677,8.326 29.673,9.274 46.673,9.274 63.673,9.274 29.677,11.876 46.677,11.876 63.677,11.876 29.673,12.824 46.673,12.824 63.673,12.824 29.677,15.426 46.677,15.426 63.677,15.426 29.673,16.374 46.673,16.374 63.673,16.374 63.677,18.976 29.673,19.924 46.673,19.924 63.673,19.924 29.677,22.526 46.677,22.526 63.677,22.526 29.673,23.474 46.673,23.474 63.673,23.474 63.677,26.076 29.673,27.024 46.673,27.024 63.673,27.024 63.677,29.626 29.673,30.574 46.673,30.574 63.673,30.574 29.677,33.176 46.677,33.176 63.677,33.176 29.673,34.124 46.673,34.124 63.673,34.124 63.677,36.726 29.673,37.674 46.673,37.674 63.673,37.674 63.677,40.276 29.673,41.224 46.673,41.224 63.673,41.224 29.677,43.826 46.677,43.826 63.677,43.826 29.673,44.774 46.673,44.774 63.673,44.774 63.677,47.376 29.673,48.324 46.673,48.324 63.673,48.324 29.677,50.926 46.677,50.926 63.677,50.926 29.673,51.874 46.673,51.874 63.673,51.874 29.677,54.476 46.677,54.476 63.677,54.476 29.673,55.424 46.673,55.424 63.673,55.424 63.677,58.026 29.673,58.974 46.673,58.974 63.673,58.974 29.677,61.576 46.677,61.576 63.677,61.576 29.673,62.524 46.673,62.524 63.673,62.524 63.677,65.126 29.673,66.074 46.673,66.074 63.673,66.074 63.677,68.676 29.673,69.624 46.673,69.624 63.673,69.624 29.677,72.226 46.677,72.226 63.677,72.226 29.673,73.174 46.673,73.174 63.673,73.174 63.677,75.776 29.673,76.724 46.673,76.724 63.673,76.724 63.677,79.326
  other v2: 95.929,45.42 95.929,46.245 96.704,46.245 96.704,47.005
VREF_A: C19.2 C20.2 IC3.21 IC4.21 U1.1 U1.2 | length 42.7
  Top Layer w0.127: IC4.21@84.102,63.265 84.111,63.256 84.111,62.758 84.435,62.434 v2(84.597,62.434) ; IC3.21@84.109,73.041 84.109,72.543 84.202,72.45 v2(84.498,72.45)
  L2 w0.127: v2(84.597,62.434) 85.862,62.434 87.432,64.004 87.432,65.282 88.175,66.025 91.182,66.025 93.116,64.091 93.116,59.384 95.225,57.275 v2(95.225,51.268)
  Bottom Layer w0.127: v2(84.498,72.45) 85.231,72.45 C20.2@85.266,72.485 85.266,72.47 84.498,71.703 84.498,71.017 86.006,69.51 86.006,67.899 85.114,67.007 85.114,63.736 85.422,63.428 C19.2@85.422,62.679 85.408,62.665 84.828,62.665 v2(84.597,62.434) ; v2(95.225,51.268) 95.225,51.35 95.466,51.35 95.675,51.141 U1.1@95.675,50.995 U1.1@95.675,51.213 ; U1.1@95.656,51.213 95.656,51.508 cw(c95.802,51.508) 95.802,51.654 96.013,51.654 cw(c96.013,51.511) 96.156,51.511 U1.2@96.156,50.977